# KiCad board s100_ColorMagic-1.1-006.kicad_pcb (continued)
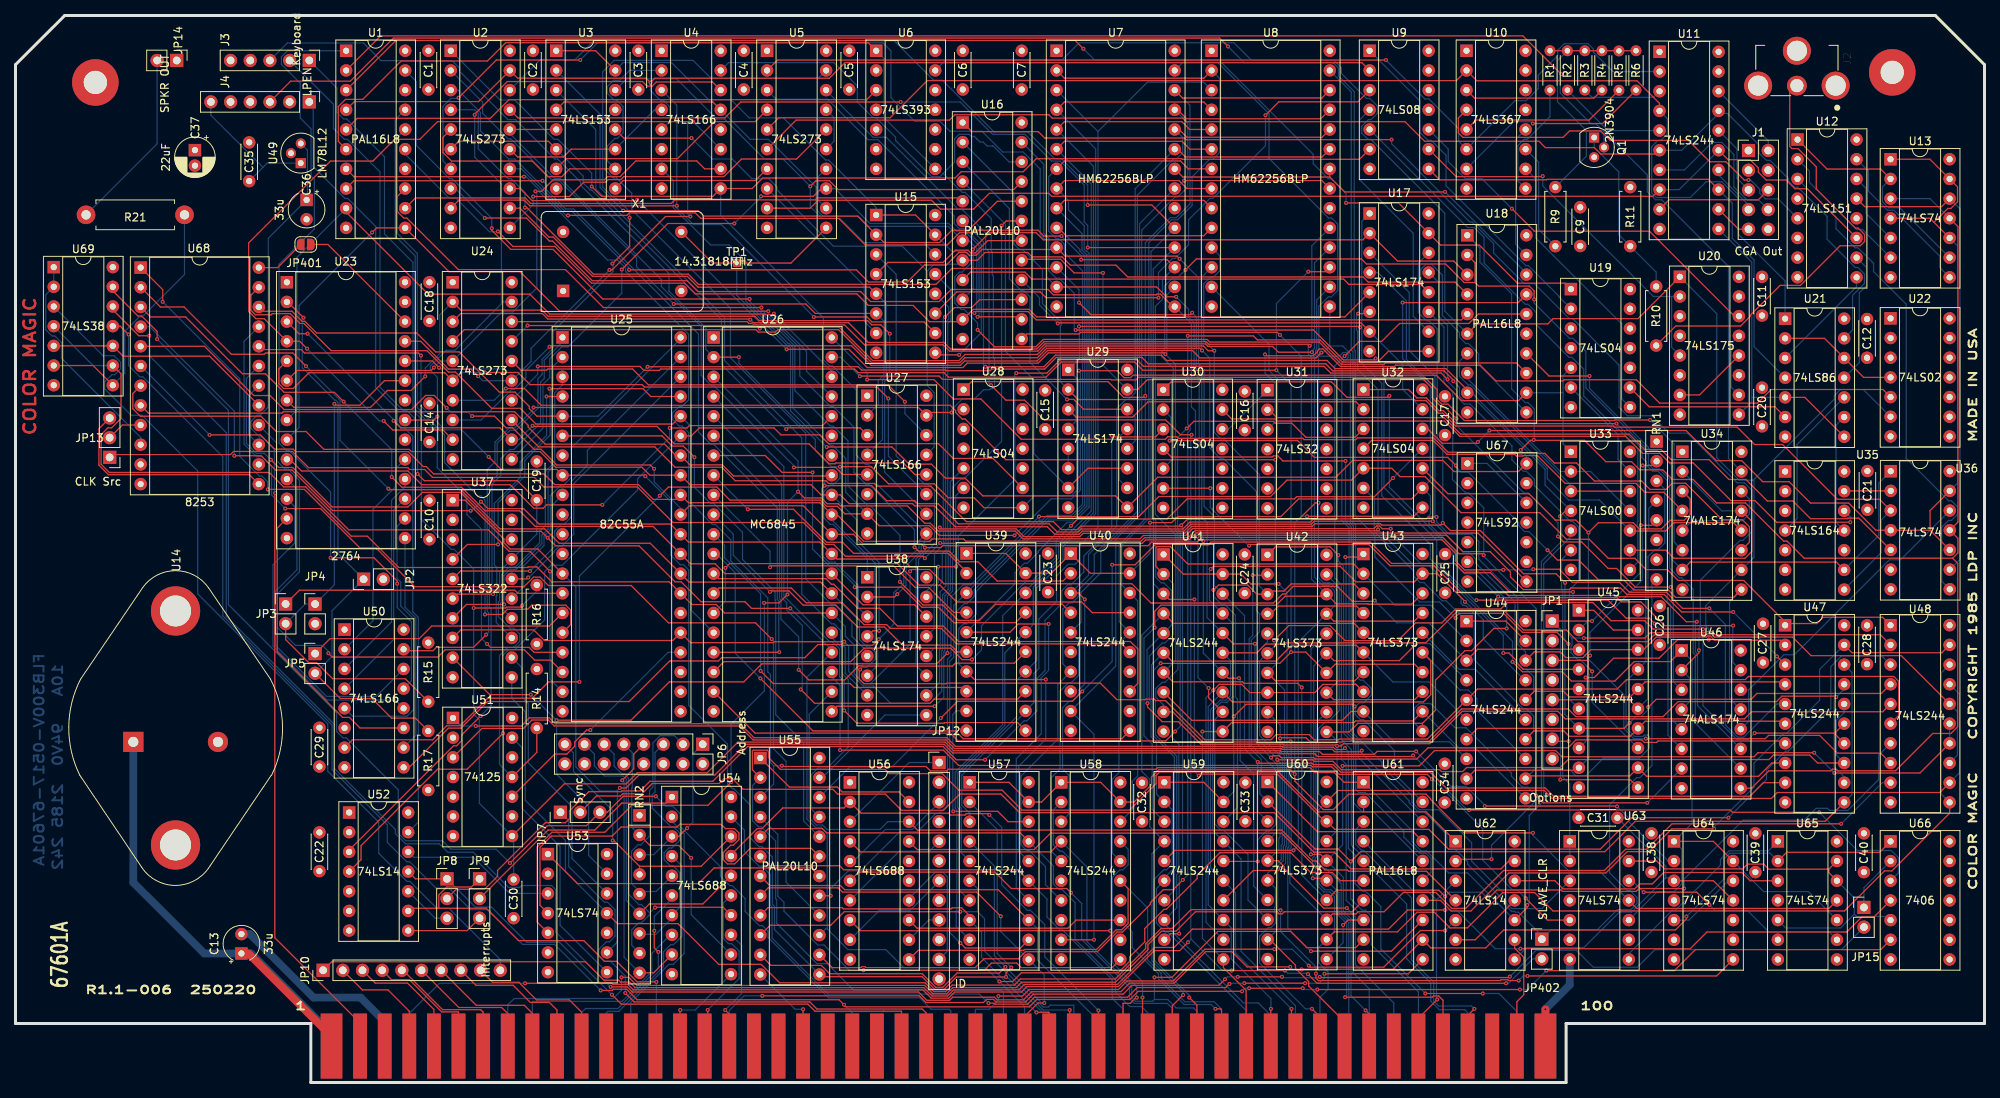
[diagram p0: board, top side]
## Nets (continued)
/Power_Buss_IF/INT*: P1.73
/Power_Buss_IF/MWRT: P1.68
/Power_Buss_IF/NDEF1: P1.21
/Power_Buss_IF/NDEF2: P1.65
/Power_Buss_IF/NDEF3: P1.66
/Power_Buss_IF/NMI*: P1.12
/Power_Buss_IF/pHLDA: P1.26
/Power_Buss_IF/PWRFAIL*: P1.13
/Power_Buss_IF/RESET*: P1.75
/Power_Buss_IF/RFU1: P1.27
/Power_Buss_IF/RFU2: P1.28
/Power_Buss_IF/RFU3: P1.69
/Power_Buss_IF/RFU4: P1.71
/Power_Buss_IF/SDSB*: P1.18
/Power_Buss_IF/sHLTA: P1.48
/Power_Buss_IF/sINTA: P1.96
/Power_Buss_IF/SIXTN*: P1.60
/Power_Buss_IF/sM1: P1.44
/Power_Buss_IF/TMA0*: P1.55
/Power_Buss_IF/TMA1*: P1.56
/Power_Buss_IF/TMA2*: P1.57
/Power_Buss_IF/TMA3*: P1.14
/Power_Buss_IF/XRDY: P1.3
/Q8: U29.3 U32.2
/RAMRD: U7.22 U8.22 U18.18
/RD: U25.5 U33.4 U62.2 U68.22
/RESET: J3.3 U17.1 U26.2 U28.8 U29.1 U38.1 U46.1 U63.10 U64.1 U64.13 U65.10
/SLAVE_CLR: JP402.2 P1.54 U5.18
/STATUS_CS: U45.1 U45.19 U55.22
/sWO: P1.97 U18.16 U61.5
/TMR_INT: JP10.10 U69.3
/TMRCS: U55.16 U68.21
/VI0: JP10.2 P1.4
/VI1: JP10.3 P1.5
/VI2: JP10.4 P1.6
/VI3: JP10.5 P1.7
/VI4: JP10.6 P1.8
/VI5: JP10.7 P1.9
/VI6: JP10.8 P1.10
/VI7: JP10.9 P1.11
/VSYNC_DLY: U6.13 U18.6 U20.1 U22.6 U34.10 U45.8
/WR: U25.36 U33.5 U55.3 U61.1 U62.10 U68.23
A0: P1.79 U25.9 U26.24 U55.15 U61.6 U68.19
A1: P1.80 U25.8 U55.13 U57.2 U68.20
A2: P1.81 U55.11 U57.4
A3: P1.31 U55.10 U57.6
A4: P1.30 U55.9 U57.8
A5: P1.29 U55.8 U57.11
A6: P1.82 U55.7 U57.13
A7: P1.83 U55.6 U57.15
A8: P1.84 U55.5 U57.17
A9: P1.34 U55.4 U58.11
A10: P1.37 U56.13 U58.13
A11: P1.87 U56.11 U58.15
A12: P1.33 U56.8 U58.17
A13: P1.85 U56.6 U58.2
A14: P1.86 U56.4 U58.4 U61.9
A15: P1.32 U54.17 U56.2
A16: P1.16 U54.15
A17: P1.17 U54.13
A18: P1.15 U54.11
A19: P1.59 U54.8
A20: P1.61 U54.6
A21: P1.62 U54.4
A22: P1.63 U54.2
A23: JP9.1 P1.64 U52.9
ALPHA_DOTS: U1.12 U16.5
AT0: U2.2 U15.6 U27.2
AT1: U2.5 U3.10 U4.2
AT2: U2.6 U3.6 U27.3
AT3: U2.9 U4.3 U15.10
AT4: U2.12 U15.5 U27.4
AT5: U2.15 U3.11 U4.4
AT6: U2.16 U3.5 U27.5
AT7: U1.4 U2.19 U4.5 U9.2
ATCLK: U2.11 U5.16
B: U5.9 U11.8 U11.15 U12.11
B_HSYNC_OUT: J1.6 U11.9
B_OUT: J1.9 U11.12
B_VSYNC_OUT: J1.8 U11.7
BACKGROUND_I: U15.12 U38.12
BLINK: U1.5 U6.3
BUS8V: C13.1 P1.1 P1.51 U14.1
BUS16V: C36.1 P1.2 U49.3
BW: U16.16 U17.7 U32.13
C0: U3.12 U16.8 U18.4 U27.13
C1: U3.4 U4.13 U16.7 U18.5
CC0: U23.7 U24.2 U27.10
CC1: U4.10 U23.6 U24.5
CC2: U23.5 U24.6 U27.11
CC3: U4.11 U23.4 U24.9
CC4: U23.3 U24.12 U27.12
CC5: U4.12 U23.25 U24.15
CC6: U23.24 U24.16 U27.14
CC7: U4.14 U23.21 U24.19
CCLK: U16.19 U26.21
CGROM11: JP3.1 U25.14
CGROM12: JP5.1 U25.15
CHG_DOTS: U1.1 U50.13
CLOCK: P1.49 U62.9
COLOR_COMPOSITE: U10.4 U12.5
COLOR_SEL: U16.15 U38.15
COMPOSITE_SYNC: U10.10 U19.8
CURSOR: U26.19 U32.3
CURSOR_BLINK: U1.6 U6.1 U6.8
D3IN: U16.23 U46.6
DA12: U1.13 U40.2
DA13: U1.19 U40.4
DI0: P1.95 U42.2 U47.11 U47.18 U60.2
DI1: P1.94 U42.5 U47.13 U47.16 U60.5
DI2: P1.41 U42.6 U47.14 U47.15 U60.6
DI3: P1.42 U42.9 U47.12 U47.17 U60.9
DI4: P1.91 U42.12 U48.11 U48.18 U60.12
DI5: P1.92 U42.15 U48.13 U48.16 U60.15
DI6: P1.93 U42.16 U48.14 U48.15 U60.16
DI7: P1.43 U42.19 U48.12 U48.17 U60.19
DISPEN: U26.18 U32.11
DO0: P1.36 U41.2 U43.2 U44.2 U59.2
DO1: P1.35 U41.4 U43.5 U44.4 U59.4
DO2: P1.88 U41.6 U43.6 U44.6 U59.6
DO3: P1.89 U41.8 U43.9 U44.8 U59.8
DO4: P1.38 U41.11 U43.12 U44.11 U59.11
DO5: P1.39 U41.13 U43.15 U44.13 U59.13
DO6: P1.40 U41.15 U43.16 U44.15 U59.15
DO7: P1.90 U41.17 U43.19 U44.17 U59.17
DOTCLK: U4.7 U18.12 U19.5 U27.7 U33.1 U50.7
DOTD0: U23.11 U50.14
DOTD1: U23.12 U50.12
DOTD2: U23.13 U50.11
DOTD3: U23.15 U50.10
DOTD4: U23.16 U50.5
DOTD5: U23.17 U50.4
DOTD6: U23.18 U50.3
DOTD7: U23.19 U50.2
ENABLE_BLINK: U1.3 U17.15 U19.1
FB1: U18.7 U33.3 U33.12
FB2: U18.8 U33.2 U33.11
G: U5.6 U11.6 U11.17 U21.13
G_OUT: J1.7 U11.14
GA0: U26.4 U39.11
GA1: U26.5 U39.13
GA2: U26.6 U39.15
GA3: U26.7 U39.17
GA4: U26.8 U39.2
GA5: U26.9 U39.4
GA6: U26.10 U39.6
GA7: U26.11 U39.8
GA8: U26.12 U40.11
GA9: U26.13 U40.13
GA10: U26.14 U40.15
GA11: U26.15 U40.17
GA12: U1.7 U26.16
GA13: U1.8 U26.17
GRPH: U1.15 U16.11 U17.5
HCLK: U18.17 U32.9 U39.1 U39.19 U40.1 U40.19 U42.11 U43.11 U46.7 U60.11 U61.8
HDGRAPHIC: U16.9 U17.12 U18.11
HI_ADDR: U54.19 U61.11
HRES: U16.10 U17.2 U18.3
HSYNC: U26.39 U34.6
HSYNC_OUT: U11.11 U20.9 U21.5 U21.8
I: U5.2 U10.6 U11.2
I_OUT: J1.2 U11.18
KBD_CLK: C30.1 J3.1 R16.1 U51.8 U64.2
KBD_DATA: C19.1 J3.2 R14.1 U37.17 U51.11
LATCH_CLK: U5.13 U16.14 U24.11
LC1: U5.12 U5.14
LC2: U5.15 U5.17
LCLK: U16.2 U29.2 U29.4 U35.8 U36.3
LPENSTR: U26.3 U45.4 U53.5
MA0: U7.10 U8.10 U39.9 U57.18
MA1: U7.9 U8.9 U39.7 U57.16
MA2: U7.8 U8.8 U39.5 U57.14
MA3: U7.7 U8.7 U39.3 U57.12
MA4: U7.6 U8.6 U39.18 U57.9
MA5: U7.5 U8.5 U39.16 U57.7
MA6: U7.4 U8.4 U39.14 U57.5
MA7: U7.3 U8.3 U39.12 U57.3
MA8: U7.25 U8.25 U40.9 U58.9
MA9: U7.24 U8.24 U40.7 U58.7
MA10: U7.21 U8.21 U40.5 U58.5
MA11: U7.23 U8.23 U40.3 U58.3
MA12: U7.2 U8.2 U40.18 U58.18
MA13: U7.26 U8.26 U28.1 U40.16 U58.16
MD0: U8.11 U24.3 U42.3 U43.3 U59.18
MD1: U8.12 U24.4 U42.4 U43.4 U59.16
MD2: U8.13 U24.7 U42.7 U43.7 U59.14
MD3: U8.15 U24.8 U42.8 U43.8 U59.12
MD4: U8.16 U24.13 U42.13 U43.13 U59.9
MD5: U8.17 U24.14 U42.14 U43.14 U59.7
MD6: U8.18 U24.17 U42.17 U43.17 U59.5
MD7: U8.19 U24.18 U42.18 U43.18 U59.3
MD8: U2.3 U7.11 U41.18 U47.9 U60.3
MD9: U2.4 U7.12 U41.16 U47.7 U60.4
MD10: U2.7 U7.13 U41.14 U47.5 U60.7
MD11: U2.8 U7.15 U41.12 U47.3 U60.8
MD12: U2.13 U7.16 U41.9 U48.9 U60.13
MD13: U2.14 U7.17 U41.7 U48.7 U60.14
MD14: U2.17 U7.18 U41.5 U48.5 U60.17
MD15: U2.18 U7.19 U41.3 U48.3 U60.18
MEMCS: U61.12 U65.2 U66.1 U69.12
MUX_G: U3.9 U5.7
MUX_I: U5.3 U15.9
MUX_R: U3.7 U5.4
MUXA: U3.14 U15.14 U16.21
MUXB: U3.2 U15.2 U16.20
MUXBLUE: U5.8 U15.7
NEW_RESET: U5.19 U52.3
OVERSCAN_B: U15.3 U38.2
OVERSCAN_G: U3.13 U38.5
OVERSCAN_I: U15.13 U38.10
OVERSCAN_R: U3.3 U38.7
PB6: U25.24 U51.10
PB7: U25.25 U28.5 U37.8
PC4: U25.13 U37.1 U53.9 U66.3
PD0: U17.3 U25.34 U26.33 U38.3 U44.18 U45.18 U47.2 U68.8
PD1: U17.4 U25.33 U26.32 U38.4 U44.16 U45.16 U47.4 U68.7
PD2: U17.6 U25.32 U26.31 U38.6 U44.14 U45.14 U47.6 U68.6
PD3: U17.11 U25.31 U26.30 U38.11 U44.12 U45.12 U47.8 U68.5
PD4: U17.13 U25.30 U26.29 U38.13 U44.9 U45.9 U48.2 U68.4
PD5: U17.14 U25.29 U26.28 U38.14 U44.7 U45.7 U48.4 U68.3
PD6: U25.28 U26.27 U44.5 U45.5 U48.6 U68.2
PD7: U25.27 U26.26 U44.3 U45.3 U48.8 U68.1
pDBIN: P1.78 U55.2 U61.2 U62.1
PHI: JP8.1 P1.24 U52.11
POC*: P1.99 U51.1
PORTC2: U1.16 U25.16
PORTC3: U1.17 U25.17
PRDY: P1.72 U66.6 U69.11
pSTVAL: JP7.1 P1.25
pSYNC: JP7.3 P1.76 U69.13
PU_RN1_8: JP402.1 RN1.8 U51.3
pWR*: P1.77 U62.5
Q2: U29.5 U29.6
Q3: U16.4 U29.7 U29.11
Q4: U29.10 U29.13
Q5: U16.3 U29.12 U29.14
Q6: U16.17 U29.15 U46.3
Q7: U16.1 U46.2 U46.4
Q8: U32.1 U46.5
R: U5.5 U10.2 U11.4 U21.1
R_OUT: J1.5 U11.16
RA0: U1.9 U23.8 U26.38
RA1: U1.11 U23.9 U26.37
RA2: U23.10 U26.36
RESET: U25.35 U28.9 U52.4
SELBLUE: U15.4 U16.18
sINP: P1.46 U56.17
SL: U4.15 U16.22 U27.15 U50.15
sMEMR: P1.47 U61.3
sOUT: P1.45 U61.4 U62.3
SPKR_DATA: U25.19 U69.4 U69.9
SPKR_GATE: U25.18 U68.16
STR: U3.1 U3.15 U15.1 U15.15 U18.13
U35.12: U30.13 U35.12
U35.13: U35.13 U36.2
VIDEO_EN: U9.4 U17.10
VSYNC: U26.40 U34.11
VSYNC_OUT: U9.8 U11.13 U21.4
XTRQ: P1.58 U61.7
Net-(C31-Pad1): C31.1 U62.8 U64.3 U64.11
Net-(J2-Pad2): J2.2 R10.2
Net-(J4-Pad1): J4.1 U52.13
Net-(JP1-Pad1): JP1.1 RN1.5 U45.11
Net-(JP1-Pad3): JP1.3 RN1.2 U45.13
Net-(JP1-Pad5): JP1.5 RN1.3 U45.15
Net-(JP1-Pad7): JP1.7 RN1.4 U45.17
Net-(JP2-Pad1): JP2.1 JP5.2 R17.2 U23.2
Net-(JP3-Pad2): JP3.2 JP4.1 R15.2 U23.23
Net-(JP6-Pad1): JP6.1 RN2.3 U54.3
Net-(JP6-Pad3): JP6.3 RN2.5 U54.5
Net-(JP6-Pad5): JP6.5 RN2.7 U54.7
Net-(JP6-Pad7): JP6.7 RN2.9 U54.9
Net-(JP6-Pad9): JP6.9 RN2.2 U54.12
Net-(JP6-Pad11): JP6.11 RN2.8 U54.14
Net-(JP6-Pad13): JP6.13 RN2.6 U54.16
Net-(JP6-Pad15): JP6.15 RN2.4 U54.18
Net-(JP7-Pad2): JP7.2 U62.13
Net-(JP8-Pad2): JP8.2 U30.3
Net-(JP8-Pad3): JP8.3 U52.10
Net-(JP9-Pad2): JP9.2 U54.1
Net-(JP9-Pad3): JP9.3 U52.8
Net-(JP12-Pad1): JP12.1 U56.3
Net-(JP12-Pad3): JP12.3 U56.5
Net-(JP12-Pad5): JP12.5 U56.7
Net-(JP12-Pad7): JP12.7 U56.9
Net-(JP12-Pad9): JP12.9 U56.12
Net-(JP12-Pad11): JP12.11 U56.14
Net-(JP13-Pad1): JP13.1 U67.8 U68.15 U68.18
Net-(JP13-Pad2): JP13.2 U68.9
Net-(JP13-Pad3): JP13.3 U68.13
Net-(JP14-Pad2): JP14.2 R21.2
Net-(JP15-Pad1): JP15.1 U66.2
Net-(JP401-Pad1): JP401.1 U23.26
Net-(Q1-Pad1): Q1.1 R10.1 R11.2
Net-(Q1-Pad2): Q1.2 R1.2 R2.2 R3.2 R4.2 R5.2 R6.2 R9.2
Net-(R1-Pad1): R1.1 U10.9
Net-(R2-Pad1): R2.1 U11.5
Net-(R3-Pad1): R3.1 U11.3
Net-(R4-Pad1): R4.1 U10.3
Net-(R5-Pad1): R5.1 U10.5
Net-(R6-Pad1): R6.1 U10.7
Net-(R9-Pad1): R9.1 U10.11
Net-(R21-Pad1): R21.1 U69.6 U69.8
Net-(U12-Pad1): U12.1 U13.2 U13.9
Net-(U12-Pad2): U12.2 U13.6
Net-(U12-Pad3): U12.3 U36.8
Net-(U12-Pad9): U12.9 U21.3
Net-(U12-Pad10): U12.10 U21.11
Net-(U12-Pad13): U12.13 U13.12 U36.9
Net-(U12-Pad14): U12.14 U13.5
Net-(U12-Pad15): U12.15 U13.8
Net-(U15-Pad11): U9.3 U15.11
Net-(U19-Pad6): U19.6 U33.13
Net-(U19-Pad9): U19.9 U21.6
Net-(U20-Pad2): U9.9 U20.2 U20.5
Net-(U20-Pad10): U20.10 U20.13
Net-(U20-Pad12): U20.7 U20.12
Net-(U20-Pad14): U9.10 U20.14
Net-(U21-Pad9): U21.9 U35.11
Net-(U21-Pad10): U21.10 U35.4
Net-(U21-Pad12): U21.2 U21.12 U22.4
Net-(U22-Pad5): U22.5 U31.3
Net-(U25-Pad1): U25.1 U37.6
Net-(U25-Pad2): U25.2 U37.14
Net-(U25-Pad3): U25.3 U37.7
Net-(U25-Pad4): U25.4 U37.13
Net-(U25-Pad37): U25.37 U37.4
Net-(U25-Pad38): U25.38 U37.16
Net-(U25-Pad39): U25.39 U37.5
Net-(U25-Pad40): U25.40 U37.15
Net-(U28-Pad6): U28.6 U37.9 U53.13
Net-(U30-Pad1): U30.1 U46.15
Net-(U30-Pad4): U30.4 U63.3
Net-(U30-Pad12): U30.12 U31.1
Net-(U31-Pad2): U31.2 U36.5
Net-(U32-Pad4): U32.4 U34.4
Net-(U32-Pad6): U32.6 U44.1 U44.19
Net-(U33-Pad6): U33.6 U63.1 U63.2
Net-(U33-Pad8): U9.5 U33.8
Net-(U33-Pad9): U33.9 U34.2 U34.13
Net-(U34-Pad14): U34.5 U34.14
Net-(U37-Pad11): U37.11 U53.11 U64.8
Net-(U37-Pad12): U37.12 U53.12
Net-(U51-Pad13): U51.13 U53.8
Net-(U52-Pad12): U52.12 U53.3
Net-(U55-Pad1): U55.1 U56.19
Net-(U62-Pad11): U62.6 U62.11
Net-(U62-Pad12): U62.12 U65.3
Net-(U63-Pad8): U63.8 U65.1
Net-(U63-Pad12): U63.12 U65.9
Net-(U63-Pad13): U63.13 U65.5 U65.12 U65.13 U66.5
Net-(U64-Pad12): U64.5 U64.12
Net-(U67-Pad1): U67.1 U67.12
Net-(U68-Pad10): U68.10 U69.1 U69.2
Net-(U68-Pad17): U68.17 U69.5 U69.10

Pads without a net: H1 1; H2 1; J1 3 4; J4 2; RN1 6 7; U1 14 18; U6 4 5 6 9 10 11; U9 11 12 13; U10 13 14; U12 6; U18 15; U19 3 4 10 11 12 13; U20 3 6 11 15; U22 1 2 3 8 9 10 11 12 13; U23 1 27; U25 10 11 12 20 21 22 23; U26 34 35; U28 3 4 10 11 12 13; U30 8 9 10 11; U31 4 5 6 8 9 10 11 12 13; U35 3 5 6 10; U36 6; U40 6 8 12 14; U51 4 5 6; U52 1 2 5 6; U53 6; U58 6 8 12 14; U63 6 9; U64 6 9; U65 6 8; U66 8 9 10 11 12 13; U67 2 3 4 9 11 13; X1 1

## Via types
v1: diameter 0.508, hole 0.254, Component to Copper, 458 vias

## Routing (per net, layer and track width the routed paths; a pad name or vN(x,y) marks a point on that pad's centre or on a via; arc(x,y) is an arc through that point)
+12V: length 18.8
  Copper w0.152: 31.92,118.11 25.2,124.83 25.2,126.56 ; 31.92,118.11 C35.1 ; 31.92,118.11 32.47,118.66 U49.1
GND: length 60.5
  Component w0.152: 101.6,9.41 101.6,4.7 ; v1(197.34,9.46) 197.36,9.44
  Component w1: 197.36,9.44 197.36,4.7
  Copper w0.152: 101.6,4.7 101.6,9.45 v1(101.59,9.46) ; 47.63,7.86 P1.53 ; 101.6,9.41 101.65,9.46 100.56,9.46 U55.12 ; v1(197.34,9.46) 197.36,9.44
  Copper w1: C13.2 30.25,19.16 38.45,10.96 44.53,10.96 47.63,7.86 ; 197.36,9.44 197.36,4.7 ; v1(197.34,9.46) 200.5,12.61 U63.7
VCC: length 6.6
  Component w0.152: U68.24 33.81,105.17 JP401.2
3.58MHZ: length 42.1
  Copper w0.152: U36.12 243.17,67.47 241.73,67.47 229.47,55.2 228.11,55.2 223.58,50.68 ; 223.58,50.68 223.58,46.63 U46.12 ; 223.58,50.68 U46.14
7MHZ: length 153.2
  Component w0.152: U18.2 188.29,105.79 188.29,103.24 ; 188.29,103.24 188.75,102.78 195.27,102.78 195.91,102.15 v1(195.91,101.05) ; 188.29,103.24 186.88,103.24 184.48,105.64 174.26,105.64 173.6,106.29 152.34,106.29 v1(150.93,104.88)
  Copper w0.152: v1(195.91,101.05) 195.91,100.6 200.46,96.05 200.89,96.05 202.58,94.36 202.58,89.64 210.09,82.12 210.09,81.6 210.64,81.05 210.64,79.82 211.28,79.17 212.04,79.17 213.38,77.84 213.38,66.38 214.63,65.13 214.95,65.13 216.42,63.66 216.42,55.45 216.7,55.17 216.7,46.37 U46.10 ; U30.5 149.35,80.53 149.35,92.19 147.86,93.67 147.86,94.31 148.24,94.69 148.24,102.8 149.26,103.82 149.86,103.82 v1(150.93,104.88)
14MCLK: length 350.4
  Component w0.152: v1(104.65,82.02) 113.06,82.02 115.27,79.8 118.15,79.8 119.96,78 122.49,78 124.78,75.71 141.9,75.71 U29.9 147.34,78.11 170.32,78.11 172.49,80.28 184.15,80.28 185.57,78.85 193.87,78.85 U67.14 ; v1(194.17,81.63) 195.41,82.87 195.86,82.87 ; 195.86,82.87 v1(195.86,82.93) ; 195.86,82.87 202.4,82.87 205.15,80.12 208.47,80.12 209.52,79.07 212.49,79.07 213.74,77.83 216.41,77.83 219.44,74.8 223.17,74.8 228.1,69.87 228.53,69.87 230.73,67.66 249.89,67.66 ; 249.89,67.66 250.54,67.01 250.54,45.93 249.66,45.04 247.32,45.04 242.51,40.23 235.01,40.23 234.81,40.43 234.4,40.43 234.19,40.23 226.19,40.23 223.95,37.98 U46.9 ; 249.89,67.66 250.56,68.34 250.56,70.23 U36.11 250.58,72.33 250.58,110.46 U13.11 ; U5.11 100.03,105.75 TP1.1 89.91,105.75 X1.8
  Copper w0.152: v1(194.17,81.63) 194.92,80.87 U67.14 ; U13.11 246.96,114.08 U13.3 ; U18.1 188.91,107.71 188.91,105.88 192.99,101.79 192.99,89.51 194.75,87.75 195.11,87.75 195.91,86.95 195.91,82.98 v1(195.86,82.93) ; TP1.1 93.05,101.6 99.56,95.08 99.71,95.08 99.98,94.81 99.98,86.69 v1(104.65,82.02)
6845E: length 116.1
  Component w0.152: v1(106.37,42.9) 119.69,42.9 121.66,40.92 167.12,40.92 167.3,40.74 169.79,40.74 170.77,39.76 182.11,39.76 v1(182.72,39.16) ; v1(194.81,23.77) 197.62,20.96 U63.5
  Copper w0.152: v1(194.81,23.77) 193.71,24.87 193.1,24.87 189.27,28.7 189.27,32.74 182.86,39.16 v1(182.72,39.16) ; U26.23 105.3,52.34 106.37,51.27 v1(106.37,42.9)
/3.6MCLK: length 104.1
  Component w0.152: U34.9 221.64,62.61 214.16,62.61 213.21,63.56 208.78,63.56 207.5,64.84 204.24,64.84 201.65,67.42 198.91,67.42 v1(197.63,68.7) ; v1(148.87,82.84) 165.39,82.84 167.55,80.67 184.76,80.67 v1(185.82,79.61)
  Copper w0.152: v1(148.87,82.84) 149.06,83.02 149.06,85.85 U30.2 ; v1(197.63,68.7) 195.23,71.1 194.67,71.1 193.91,71.86 193.91,72.26 187.4,78.77 186.48,78.77 185.82,79.43 v1(185.82,79.61) ; U34.9 221.11,62.08 221.11,49.58 U46.13
/7MHZ: length 96.4
  Component w0.152: v1(159.14,69.29) 159.28,69.43 174.58,69.43 177.32,66.69 183,66.69 186.49,63.2 192.26,63.2 192.6,62.85 206.72,62.85 206.88,62.69 212.31,62.69 215.53,59.47 v1(216.88,59.47) ; U30.6 v1(154.12,76.7)
  Copper w0.152: v1(216.88,59.47) 216.7,59.28 216.7,55.57 216.98,55.29 216.98,48.63 U46.11 ; v1(154.12,76.7) 154.12,74.24 159.07,69.29 v1(159.14,69.29)
/6845CS: length 27.8
  Copper w0.152: U55.21 102.68,35.28 102.68,39.75 103.54,40.61 104.73,40.61 107.42,43.3 107.42,51.99 106.65,52.77 106.65,56.07 105.3,57.42 U26.25
/6845WRT: length 106.1
  Component w0.152: U56.18 116.35,32.58 163.33,32.58 167.31,28.6 167.75,28.6 168.92,27.43 171.81,27.43 171.98,27.26 182.01,27.26 U62.4
  Copper w0.152: U26.22 102.39,47.52 102.39,34.14 103.3,33.23 104.11,33.23 104.69,32.65 111.52,32.65 112.53,33.66 U56.18
/BLANK: length 17.3
  Copper w0.152: U18.19 193.51,108.19 193.51,121.71 U10.12
/BW: length 140.3
  Component w0.152: U36.13 246.98,73.81 246.98,71.28 ; v1(188.66,82.66) 188.49,82.5 184.03,82.5 182.18,84.35 U32.12 ; 247.48,111.01 246.96,111.53 U13.4 ; 247.48,111.01 U13.10 ; 247.48,111.01 249.27,112.81 249.66,112.81 250.52,113.67 250.52,115.6 U13.13 246.96,119.16 U13.1 ; U36.10 246.98,71.28 ; 246.98,71.28 U36.4 239.99,71.28 236.49,74.78 231.56,74.78 228.8,77.54 225.39,77.54 222.68,80.25 219.4,80.25 215.51,84.14 v1(190.13,84.14)
  Copper w0.152: v1(190.13,84.14) v1(188.66,82.66) ; U36.13 250.53,77.36 250.53,107.97 U13.10
/CLR_SL: length 270.3
  Component w0.152: U50.9 50.79,40.68 55.85,45.73 57.45,45.73 60.88,49.16 79.15,49.16 84.39,54.41 90.68,54.41 91.1,54.83 101.81,54.83 103.51,56.52 106.62,56.52 106.72,56.43 110.56,56.43 v1(111.35,57.22) ; U9.6 173.37,119.14 150.5,119.14 150.42,119.23 131.67,119.23 129.99,117.55 122,117.55 121.19,116.73 96.38,116.73 95.03,115.38 U4.9 89.96,114.37 75.6,114.37 v1(74.33,115.64)
  Copper w0.152: v1(74.33,115.64) 74.33,117.36 69.97,121.72 69.48,121.72 64.4,126.81 62.5,126.81 U2.1 ; U4.9 90.97,111.93 104.21,98.69 104.21,93.28 105.02,92.47 105.36,92.47 108.46,89.38 108.46,80.96 109.68,79.74 110.04,79.74 111.11,78.68 111.11,77.24 U27.9 116.56,69.91 116.56,69.02 114.59,67.05 114.59,64.45 113.61,63.48 113.56,63.48 113.29,63.21 113.29,59.16 v1(111.35,57.22)
/CURSOR_DLY: length 222.5
  Component w0.152: v1(199.39,130.14) 194.45,135.08 47.11,135.08 U1.2
  Copper w0.152: U34.15 220.98,80.52 220.98,105.31 212.37,113.92 211.56,113.92 210.51,114.97 210.51,117.12 203.9,123.72 203.26,123.72 199.27,127.7 199.27,130.02 v1(199.39,130.14)
/DISPEN: length 56.1
  Component w0.152: U34.3 216.03,75.31 216.03,73.31 215.27,72.55 213.42,72.55 212.32,71.45 209.48,71.45 208.69,72.24 204.19,72.24 v1(202.91,70.96) 201.28,72.59 198.64,72.59 195.24,75.99 184.78,75.99 U32.10
  Copper w0.152: U45.2 202.91,59.63 v1(202.91,70.96)
/DISPEN_DLY: length 129.4
  Component w0.152: 187.28,89.02 187.28,89.37 184.51,92.13 170.23,92.13 169.18,93.19 148.49,93.19 147.82,93.86 134.16,93.86 132.66,92.37 v1(125.12,92.37) ; U34.12 221.63,72.25 213.93,72.25 212.85,71.17 208.33,71.17 U33.10
  Copper w0.152: 187.28,89.02 187.83,89.02 197.6,79.25 197.6,77.93 200.35,75.17 204.33,75.17 U33.10 ; U16.6 124.87,108.51 124.87,92.62 v1(125.12,92.37)
/EN2: length 81.7
  Component w0.152: U41.1 150.64,65.61 U41.19 158.08,65.61 159.35,64.34 v1(162.93,64.34) ; U61.13 177.49,16.94 v1(167.12,16.94)
  Copper w0.152: v1(167.12,16.94) 164.12,19.94 164.12,30.26 164.27,30.41 164.27,42.38 164.02,42.63 164.02,63.25 v1(162.93,64.34)
/EN3: length 87.9
  Component w0.152: U61.14 183.81,23.51 185.19,22.13 187.74,22.13 192.65,27.05 205.16,27.05 207.92,29.8 210.74,29.8 213.66,32.72 v1(219.12,32.72) ; U48.19 248.49,55.47 236.91,55.47 U47.19
  Copper w0.152: U47.19 232.73,53.3 232.73,49.32 228.45,45.04 228.08,45.04 224.26,41.23 224.26,38.12 219.12,32.98 v1(219.12,32.72)
/EN4: length 50.2
  Component w0.152: v1(171.55,67.8) 173.48,67.8 U43.1
  Copper w0.152: U61.15 182.59,27.12 182.59,28.94 181.94,29.6 181.18,29.6 179.09,31.68 179.09,32.44 174.1,37.43 173.27,37.43 172.89,37.81 172.89,43.94 171.65,45.19 171.65,67.7 v1(171.55,67.8)
/EN5: length 54.8
  Component w0.152: U42.1 162.53,69.13 169.58,69.13 v1(170.64,68.06)
  Copper w0.152: U61.16 175.17,34.94 173.74,34.94 172.61,36.07 172.61,43.79 171.32,45.09 171.32,66.62 170.64,67.3 v1(170.64,68.06)
/EN6: length 23.2
  Component w0.152: U60.1 167.93,32.38 180.27,32.38 U61.17
/ENABLE_BLINK: length 44.5
  Copper w0.152: U19.2 199.11,101.39 199.11,101.47 195.16,105.42 194.85,105.42 184.54,115.72 184.54,119.67 182.61,121.6 182.2,121.6 181.16,122.63 181.16,126.67 U9.1
/EVNWR: length 138.6
  Component w0.152: U59.19 153.28,38.75 U59.1 ; v1(157.16,47.24) 158.73,48.81 172.47,48.81 v1(172.76,48.53)
  Copper w0.152: 172.83,48.49 173.35,49.01 173.93,49.01 174.89,49.97 174.89,50.87 173.84,51.92 173.49,51.92 172.87,52.54 172.87,71.93 172.54,72.26 172.54,94.33 172.31,94.56 172.31,127.85 U8.27 ; 172.83,48.49 172.8,48.49 v1(172.76,48.53) ; 172.83,48.49 172.83,47.48 173.49,46.82 173.9,46.82 177.89,42.83 177.89,39.84 U61.19 ; U59.19 157.16,37.55 v1(157.16,47.24)
/HCLK: length 235.7
  Component w0.152: U57.1 128.16,38.74 130.7,36.2 132.36,36.2 U58.1 139.98,38.74 142.52,36.2 144.3,36.2 146.54,38.44 146.54,39.42 147.26,40.15 147.26,40.15 147.48,40.36 164.46,40.36 v1(165.02,39.79) 165.02,38.9 168.7,35.23 169.99,35.23 171.99,37.22 181.94,37.22 182.53,36.63 182.53,36.54 186.85,32.22 v1(195.75,32.22) ; U16.13 130.45,96.61 137.21,96.61 137.42,96.82 162.77,96.82 v1(163.12,96.47) ; U32.8 180.38,73.07 v1(166.61,73.07) ; U65.11 233.92,22.46 209.16,22.46 U63.11
  Copper w0.152: v1(163.12,96.47) 165.86,93.73 165.86,73.07 ; U63.11 204.31,27.31 200.34,27.31 195.75,31.91 v1(195.75,32.22) ; v1(165.02,39.79) 165.02,72.23 165.86,73.07 ; 165.86,73.07 v1(166.61,73.07)
/HSYNC_DLY: length 76.8
  Component w0.152: U35.9 234.89,67.16 216.03,67.16 U34.7 ; v1(203.04,91.18) 197.82,91.18 194.9,94.1
  Copper w0.152: v1(203.04,91.18) 203.04,89.58 210.64,81.98 210.64,81.85 210.94,81.55 211.79,81.55 213.67,79.67 213.67,67.51 U34.7 ; U35.9 240.36,70.62 240.36,77.36 U36.1
/IDEN1: length 186.4
  Component w0.152: 228.5,59.23 222.94,64.79 214.48,64.79 213.08,66.19 210.36,66.19 208.9,67.65 205.47,67.65 203.02,70.1 200.07,70.1 196.63,73.55 186.48,73.55 181.83,78.19 178.61,78.19 177.54,79.27 U32.5 172.36,77.75 164.02,77.75 161.9,75.63 147.49,75.63 144.9,73.04 v1(132.04,73.04) ; 228.5,59.23 U47.1 ; 228.5,59.23 232.37,59.23 233.18,60.04 240.85,60.04 U48.1 ; U55.17 v1(105.16,24.1)
  Copper w0.152: v1(105.16,24.1) 105.16,25.05 107.43,27.31 109,27.31 114.04,32.35 116.33,32.35 118.71,34.73 119.16,34.73 120.22,35.79 120.22,54.63 120.68,55.09 120.68,62.66 122.23,64.22 123.21,64.22 v1(132.04,73.04)
/IO Chips/KBD_INT*: length 213.7
  Component w0.152: v1(194.13,17.27) 216.04,17.27 218.19,19.43 236.24,19.43 238.24,21.42 239.8,21.42 U66.4 ; v1(184.4,22.26) 179.59,22.26 177.12,19.79 151.82,19.79 149.45,17.42 146.92,17.42 142.15,12.66 130.14,12.66 129.44,11.96 121.03,11.96 120.23,11.17 118.24,11.17 117.16,12.25 79.93,12.25 79.22,12.95 78.06,12.95 77.81,13.2 75.92,13.2 73.54,15.58 40.78,15.58 JP10.1
  Copper w0.152: v1(184.4,22.26) 185.89,22.26 190.89,17.27 v1(194.13,17.27)
/LPEN_CLR: length 37.9
  Component w0.152: U53.1 72.49,25.67 88.1,25.67 90.12,27.69 102.65,27.69 U55.18
/LPEN_SET: length 54.6
  Component w0.152: U53.4 67.66,22.88 67.66,30.35 69.11,31.8 76.96,31.8 78.12,32.97 85.33,32.97 85.68,33.32 91.02,33.32 91.58,32.77 92.75,32.77 93.31,32.21 93.31,31.35 92.58,30.62 92.25,30.62 91.29,29.66 91.29,28.76 91.85,28.21 92.77,28.21 94.77,30.21 102.67,30.21 U55.19
/LPENSW: length 247.1
  Component w0.152: v1(200.33,56.62) 198.86,58.09 194.4,58.09 191.95,60.55 186.21,60.55 185.77,60.1 v1(185.77,59.93) ; v1(156.41,133.71) 155.33,134.79 48.75,134.79 43.19,129.23 35.49,129.23 J4.3
  Copper w0.152: v1(200.33,56.62) 200.33,49.59 U45.6 ; v1(156.41,133.71) 158.5,131.62 169.96,131.62 170.66,130.92 170.66,129.91 172.69,127.88 172.69,94.58 172.82,94.45 172.82,73.1 175.35,70.57 175.35,67.82 181.15,62.02 183.68,62.02 v1(185.77,59.93)
/ODDWR: length 120.9
  Copper w0.152: U61.18 173.2,41.99 173.2,44.04 171.96,45.28 171.96,48.79 172.03,48.85 172.03,71.58 171.1,72.5 171.1,92.74 171.91,93.56 171.91,93.94 171.65,94.21 171.27,94.21 170.79,93.74 168.26,93.74 167.99,94.01 167.99,94.39 168.13,94.53 168.13,100.17 169.36,101.41 169.74,101.41 170.56,102.22 170.56,110.78 169.78,111.56 169.39,111.56 161.7,119.25 161.7,125.03 155.06,131.67 150.6,131.67 U7.27
/PHANTOM: length 158.4
  Component w0.152: v1(192.76,13.67) 192.65,13.55 168.33,13.55 v1(168.25,13.63) ; v1(157.67,13.64) v1(163.38,13.64) ; v1(96.34,11.18) 116.59,11.18 117.45,10.32 124.86,10.32 125.26,10.73 126.16,10.73 126.49,10.39 130.28,10.39 131.3,11.41 142.89,11.41 144.02,12.54 155.24,12.54 v1(156.02,13.32)
  Copper w0.152: v1(96.34,11.18) 93.97,11.18 92.08,9.28 P1.67 ; v1(157.67,13.64) 156.34,13.64 v1(156.02,13.32) ; JP15.2 235.54,17.15 211.48,17.15 209.2,14.87 203.54,14.87 201.34,17.07 196.17,17.07 v1(192.76,13.67) ; v1(168.25,13.63) 168.14,13.53 163.49,13.53 v1(163.38,13.64)
/PIACS: length 74.1
  Component w0.152: U25.6 83.39,83.45 84.71,82.13 86.14,82.13 v1(87.58,80.69)
  Copper w0.152: U55.20 101.67,33.75 101.67,43.86 98.06,47.47 98.06,62.14 97.99,62.22 97.99,63.3 93.78,67.51 93.78,71.02 90.08,74.72 89.68,74.72 87.58,76.82 v1(87.58,80.69)
/PORT1_WR: length 156.3
  Component w0.152: v1(150.58,26.14) 149.32,24.88 148.07,24.88 146.4,23.22 146.4,23.01 142.82,19.43 142.1,19.43 139.56,16.89 130.28,16.89 129.37,15.97 124.94,15.97 123.81,14.83 109.7,14.83 109.58,14.95 109.2,14.95 109.07,14.83 105.35,14.83 U55.14 ; U17.9 177.11,94.38 175.72,92.98 171.15,92.98 168.29,95.84 160.2,95.84 159.69,96.35 v1(151.23,96.35)
  Copper w0.152: v1(151.23,96.35) 151.23,84.92 151.54,84.6 151.54,84.22 151.23,83.9 151.23,26.79 v1(150.58,26.14)
/PORT2_WR: length 17.1
  Copper w0.152: U38.9 112.16,47.43 104.07,39.34 U55.23
/Q8: length 39.7
  Component w0.152: U32.2 172.91,87.86 146.11,87.86 144.13,85.88 136.81,85.88 U29.3
/RAMRD: length 52.2
  Component w0.152: v1(184.41,114.94) 171.46,114.94 169.54,116.86 ; 169.54,116.86 U8.22 ; 169.54,116.86 150.59,116.86 U7.22
  Copper w0.152: v1(184.41,114.94) 194.9,104.45 U18.18
/RD: length 243.4
  Component w0.152: v1(185.48,90.51) 185.48,90.64 184.27,91.85 169.92,91.85 169.01,92.76 146.13,92.76 145.3,93.58 134.27,93.58 132.76,92.07 125.93,92.07 125.73,91.87 120.06,91.87 119.98,91.96 109.13,91.96 108.71,92.38 v1(81.53,92.38) ; U62.2 186.01,28.82 v1(190.4,28.82) ; v1(199.26,73.07) 199.96,73.78 U33.4 ; U25.5 67.26,86 66.29,86.97 66.29,87.25 64.43,89.1 62.42,89.1 57.23,94.29 54.2,94.29 51.76,96.73 38.83,96.73 37.32,98.25 36.96,98.25 35.67,99.53 31.94,99.53 U68.22
  Copper w0.152: U33.4 197.32,77.1 197.32,79.13 188.5,87.95 186.91,87.95 186.27,88.59 186.27,89.72 v1(185.48,90.51) ; v1(81.53,92.38) 75.15,86 U25.5 ; v1(199.26,73.07) 199.46,72.87 199.46,69.85 196.84,67.24 196.84,37.06 190.4,30.63 v1(190.4,28.82)
/RESET: length 369.1
  Component w0.152: U64.1 219.03,31.12 U64.13 ; U28.8 124.93,74.19 123.66,75.46 120.33,75.46 118.52,77.27 112.62,77.27 110.41,79.48 v1(106.35,79.48) ; v1(137.19,97.58) 173.35,97.58 v1(173.45,97.48) ; U46.1 213.5,54.33 208.83,54.33 206.3,51.8 200.73,51.8 199.51,53.01 194.39,53.01 v1(193.12,54.29) ; U26.2 v1(93.32,93.61)
  Copper w0.152: v1(93.32,93.61) 93.32,92.82 103.17,82.97 103.17,81.58 105.28,79.47 v1(106.35,79.47) 106.35,78.01 105.45,77.11 105.11,77.11 104.28,76.27 104.28,72.85 105.1,72.03 105.48,72.03 109.88,67.63 U38.1 ; U26.2 89.05,94.62 89.05,97.38 84.29,102.15 84.29,104.41 72.9,115.8 72.9,116.21 69.92,119.19 69.58,119.19 64.5,124.27 63.52,124.27 57.29,130.5 57.29,130.9 56.3,131.88 47.15,131.88 44.88,134.16 35.08,134.16 J3.3 ; v1(193.12,54.29) 193.12,56.95 182.51,67.56 182.51,69.46 176.25,75.71 176.25,90.23 173.67,92.81 173.67,97.48 ; U17.1 173.67,111.14 173.67,97.48 ; U64.13 225.5,24.64 231.28,24.64 U65.10 ; U46.1 216.28,54.41 216.28,33.45 U64.1 214.95,30.11 214.95,25.63 213.96,24.64 211.8,24.64 U63.10 ; v1(137.19,97.58) 137.24,97.52 137.24,93.41 U29.1 137.09,90.68 137.09,76.6 136.21,75.71 131.44,75.71 U28.8 ; 173.67,97.48 v1(173.45,97.48)
/SLAVE_CLR: length 301.4
  Component w0.152: v1(151.71,83.6) 150.29,83.6 148.36,85.52 132.71,85.52 130.17,88.06 127.77,88.06 v1(125.84,90) ; v1(166.73,13.99) 167.91,12.81 v1(192.29,12.81) ; v1(151.25,18.1) 150.18,17.02 146.91,17.02 142.27,12.38 130.47,12.38 129.77,11.68 121.17,11.68 120.37,10.88 118.12,10.88 117.04,11.96 79.69,11.96 78.99,12.67 77.09,12.67 76.96,12.8 65.74,12.8 v1(65.73,12.8) ; v1(163.76,14.45) v1(156.87,14.45)
  Copper w0.152: v1(65.73,12.8) 54.69,12.8 50.8,8.91 P1.54 ; 151.65,18.5 155.7,14.45 v1(156.87,14.45) ; 151.65,18.5 151.62,18.54 151.62,83.5 v1(151.71,83.6) ; 151.65,18.5 v1(151.25,18.1) ; JP402.2 195.75,15.96 192.6,12.81 v1(192.29,12.81) ; U5.18 104.57,128.03 110.61,121.99 112.32,121.99 121.58,112.73 122.07,112.73 125.15,109.65 125.15,107.64 125.58,107.2 125.58,90.25 v1(125.84,90) ; v1(163.76,14.45) 164.12,14.09 166.62,14.09 v1(166.73,13.99)
/STATUS_CS: length 132.3
  Component w0.152: U45.1 203.58,60.94 206.12,58.4 U45.19 ; v1(141.47,66.81) 144.42,66.81 147.08,69.47 152.77,69.47 152.85,69.39 153.85,69.39 154.21,69.75 174.75,69.75 177.51,66.99 185.68,66.99 186.88,65.79 190.26,65.79 192.74,63.31 v1(200.92,63.31) ; v1(119.36,47.03) 121.53,49.2 136.34,49.2 v1(137.62,50.47)
  Copper w0.152: v1(200.92,63.31) 200.92,61.7 U45.1 ; v1(141.47,66.81) 141.47,54.33 v1(137.62,50.47) ; U55.22 107.64,40.74 113.07,40.74 v1(119.36,47.03)
/sWO: length 124.3
  Component w0.152: v1(171.46,93.75) 173.35,95.64 176.24,95.64 178.55,97.96 187.48,97.96 188.7,99.18 U18.16
  Copper w0.152: P1.97 187.33,9.03 186.95,9.4 183.67,9.4 182.57,10.5 182.57,12.86 179.46,15.97 179.46,23.03 U61.5 173.9,29.06 172.33,30.63 172.33,42.97 171.04,44.26 171.04,64.24 170.18,65.1 170.18,92.47 v1(171.46,93.75)
/TMR_INT: length 114.2
  Copper w0.152: JP10.10 62.54,15.86 55.92,22.47 54.35,22.47 50.87,25.96 50.49,25.96 46.85,29.59 46.85,33.6 40.28,40.17 40.28,46.27 23.5,63.06 23.5,78.93 16.31,86.12 14.91,86.12 11.5,89.53 11.5,90.4 12.44,91.35 12.79,91.35 13.56,92.11 13.56,92.96 12.72,93.8 11.28,93.8 U69.3
/TMRCS: length 135.8
  Component w0.152: v1(97.55,57.22) 95.45,59.33 84.23,59.33 79.41,64.14 68.74,64.14 67.66,65.22 66.83,65.22 65.6,63.99 51.51,63.99 46.52,68.98 44.44,68.98 39.35,74.07 v1(34.8,74.07)
  Copper w0.152: v1(97.55,57.22) 97.78,56.99 97.78,43.06 99.41,41.43 99.41,25.85 U55.16 ; v1(34.8,74.07) 33.03,75.84 33.03,79.54 31.8,80.78 31.1,80.78 29.49,82.38 29.49,95.66 U68.21
/VI0: length 15.3
  Component w0.152: P1.4 50.8,9.2 48.05,11.96 44.74,11.96 JP10.2
/VI1: length 16
  Component w0.152: JP10.3 46.42,12.82 50.58,12.82 53.98,9.43 P1.5
/VI2: length 16.5
  Component w0.152: JP10.4 48.49,13.29 50.8,13.29 54.97,9.12 57.09,9.12 57.15,9.06 P1.6
/VI3: length 17.1
  Component w0.152: JP10.5 50,14.48 55.09,9.4 60,9.4 60.33,9.07 P1.7
/VI4: length 17.6
  Component w0.152: JP10.6 57.18,9.68 62.72,9.68 63.5,8.9 63.5,4.7
